# Altium PCB top.PcbDoc (part 4 of 5)
Units mil, origin at the board's own origin, x right, y up, seen from the top; angles counter-clockwise.
Board outline 12029.02 x 5828 mil, 2 copper layers (Top Layer, Bottom Layer); 703 components, 430 nets, 1840 pads, 2249 vias.
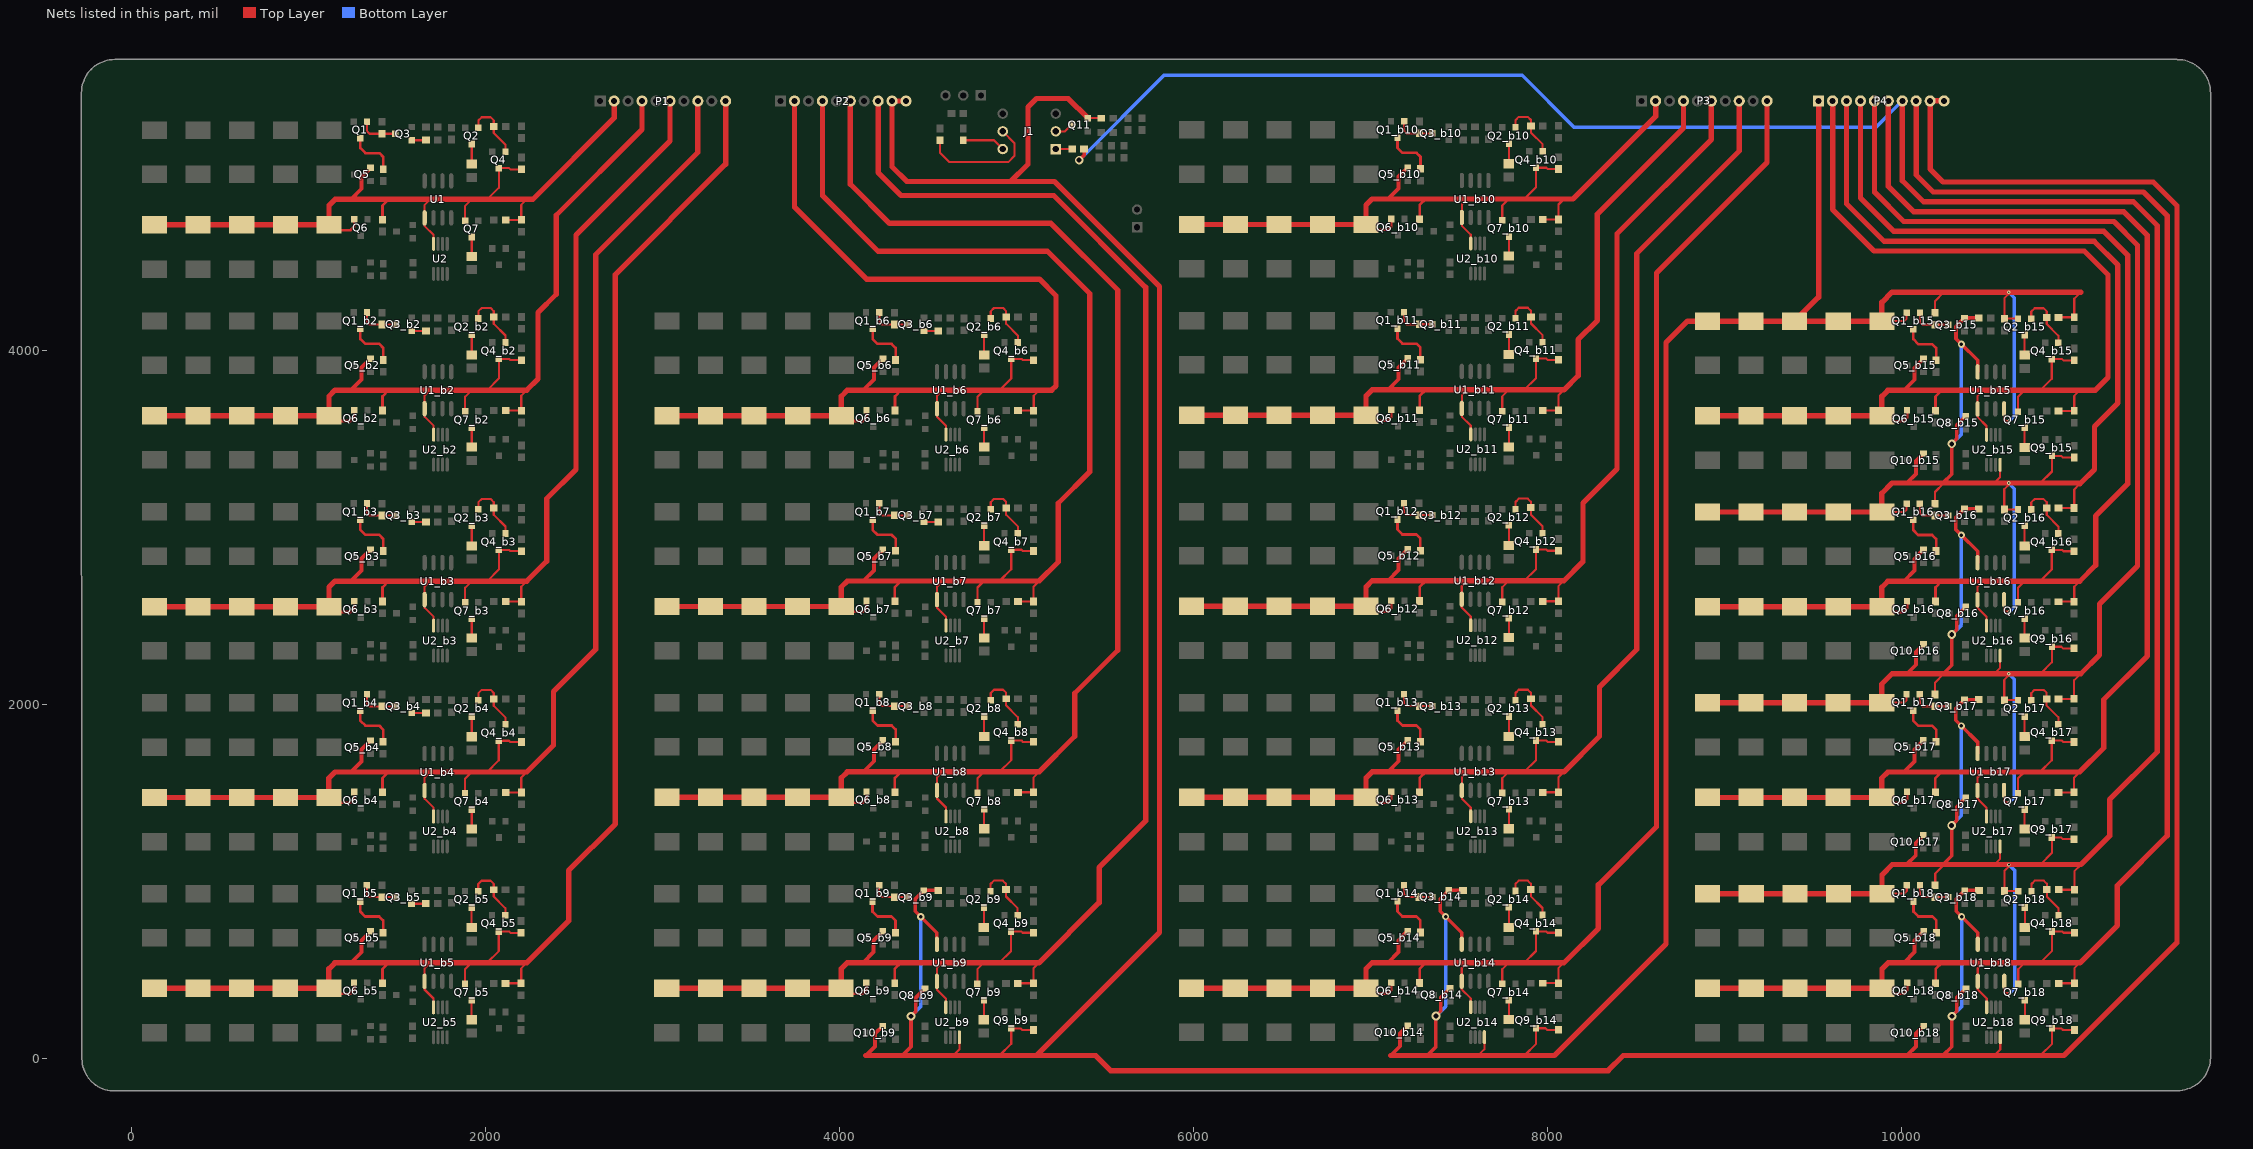
[diagram p4: the nets of this part, all layers, seen from the top]

## Via types
v1: diameter 20, hole 10, Top Layer to Bottom Layer, 2208 vias
v2: diameter 50, hole 28, Top Layer to Bottom Layer, 19 vias
v3: diameter 40, hole 20, Top Layer to Bottom Layer, 18 vias
v4: diameter 125.98, hole 125.98, Top Layer to Bottom Layer, 4 vias

## Nets (pads, with @x,y where several pads share a name; then routed paths per layer and width w, separated by ;. In a path a pad name is that pad's centre, name@x,y a point inside that pad or via, vN(x,y) a via of type N, cw(c..) or ccw(c..) an arc to the next point about the centre after c; other vN are vias at no path point) (continued)
IN_A14: P4.1 Q1_b15.2 Q2_b15.2 Q3_b14.2 Q8_b14.2 Q9_b14.3 Q10_b14.2 R1_b15.2 R2_b15.2 R3_b15.2 R4_b15.2 R5_b15.2 R6_b15.2 R7_b15.2 R8_b15.2 R9_b15.2 R12_b14.1 R24_b14.1 U1_b14.4 U1_b15.8 U2_b14.4 | length 12793.4
  Top Layer w12: 7610.6,17.74 7644.98,52.13 U2_b14.4@7644.98,121.09 ; 7871.6,17.74 7937.6,83.74 Q9_b14.3@7937.6,171.48 7990.34,171.48 7999.54,162.28 R24_b14.1@8063.6,162.28 ; R5_b15.2@9891,4166.46 9891.46,4166.93 10017.54,4166.93 10031.13,4180.53 Q1_b15.2@10031.13,4214.19 ; R6_b15.2@10191.54,4213.39 10191.54,4279.93 10241,4329.39 ; U1_b15.8@10582,3670.98 10582,3615.46 10594,3603.46 v1(10612,3603.46) ; 10618,4330.46 10583,4295.46 R9_b15.2@10583,4180.93 10660.39,4180.93 Q2_b15.2@10660.6,4180.72 ; R7_b15.2@10889.46,4188.46 10977.54,4188.46 R8_b15.2@10978,4188.93 10978,4293.46 11015,4330.46 11016,4330.46
  Top Layer w20: 7321.6,17.74 7371.6,67.74 v2(7371.6,239.74) 7399.6,267.74 7399.6,345.88 Q8_b14.2@7450.86,397.14 ; U1_b14.4@7517.6,646.23 7517.6,711.01 v3(7426.46,802.14) 7395.46,833.14 7395.46,902.28 Q3_b14.2@7443.72,950.54 R12_b14.1@7524.6,950.54
  Top Layer w22: 7116.6,17.74 7168.6,69.74 7168.6,141.88 Q10_b14.2@7211.86,185.14
  Top Layer w30: 7116.6,17.74 7321.6,17.74 7610.6,17.74 7871.6,17.74 8041.74,17.74 8672,648 8672,4045 8793.46,4166.46 R1_b15.2@8906,4166.46 R2_b15.2@9152.25,4166.46 R3_b15.2@9398.5,4166.46 ; P4.1@9534,5411 9534,4301.96 R3_b15.2@9398.5,4166.46 ; 11015,4330.46 10618,4330.46 v1(10608,4330.46) 9949,4330.46 9891,4272.46 R5_b15.2@9891,4166.46 R4_b15.2@9644.75,4166.46 R3_b15.2@9398.5,4166.46
  Bottom Layer w20: v2(7371.6,239.74) 7426.46,294.61 v3(7426.46,802.14) ; v1(10608,4330.46) 10640,4298.46 10640,3631.46 v1(10612,3603.46)
IN_A15: P4.3 Q1_b16.2 Q2_b16.2 Q3_b15.2 Q8_b15.2 Q9_b15.3 Q10_b15.2 R1_b16.2 R2_b16.2 R3_b16.2 R4_b16.2 R5_b16.2 R6_b16.2 R7_b16.2 R8_b16.2 R9_b16.2 R12_b15.1 R24_b15.1 U1_b15.4 U1_b16.8 U2_b15.4 | length 9569.7
  Top Layer w12: R5_b16.2@9890.87,3088.2 9891.34,3088.66 10017.41,3088.66 10031.01,3102.26 Q1_b16.2@10031.01,3135.92 ; R6_b16.2@10191.41,3135.13 10191.41,3201.66 10240.87,3251.13 ; 10525,3251.46 10525.73,3252.2 10559.39,3285.85 U2_b15.4@10559.39,3354.82 ; U1_b16.8@10581.87,2592.71 10581.87,2537.2 10593.87,2525.2 v1(10611.87,2525.2) ; 10617.87,3252.2 10582.87,3217.2 R9_b16.2@10582.87,3102.66 10660.27,3102.66 Q2_b16.2@10660.47,3102.46 ; 10786,3251.46 10786.73,3252.2 10852,3317.46 Q9_b15.3@10852,3405.2 10904.74,3405.2 10913.94,3396 R24_b15.1@10978,3396 ; R7_b16.2@10889.34,3110.2 10977.41,3110.2 R8_b16.2@10977.87,3110.66 10977.87,3215.2 11010,3247.32
  Top Layer w20: 10236,3251.46 10236.73,3252.2 10286,3301.46 v2(10286,3473.46) 10314,3501.46 10314,3579.61 Q8_b15.2@10365.26,3630.87 ; U1_b15.4@10432,3879.95 10432,3944.73 v3(10340.87,4035.87) 10309.87,4066.87 10309.87,4136.01 Q3_b15.2@10358.13,4184.27 R12_b15.1@10439,4184.27
  Top Layer w22: 10031,3251.46 10031.73,3252.2 10083,3303.46 10083,3375.61 Q10_b15.2@10126.26,3418.87
  Top Layer w30: R1_b16.2@8905.87,3088.2 R2_b16.2@9152.12,3088.2 R3_b16.2@9398.37,3088.2 R4_b16.2@9644.62,3088.2 R5_b16.2@9890.87,3088.2 9890.87,3194.2 9948.87,3252.2 10031.73,3252.2 10236.73,3252.2 10525.73,3252.2 v1(10607.87,3252.2) 10617.87,3252.2 10786.73,3252.2 11014.87,3252.2 ; P4.3@9691.48,5411 9691.48,4830.03 9903.26,4618.26 11090.26,4618.26 11224.26,4484.26 11224.26,3704 11092,3571.74 11092,3329.32 11014.87,3252.2 ; 11010,3247.32 11014.87,3252.2
  Bottom Layer w20: v2(10286,3473.46) 10340.87,3528.33 v3(10340.87,4035.87) ; v1(10607.87,3252.2) 10639.87,3220.2 10639.87,2553.2 v1(10611.87,2525.2)
IN_A16: P4.5 Q1_b17.2 Q2_b17.2 Q3_b16.2 Q8_b16.2 Q9_b16.3 Q10_b16.2 R1_b17.2 R2_b17.2 R3_b17.2 R4_b17.2 R5_b17.2 R6_b17.2 R7_b17.2 R8_b17.2 R9_b17.2 R12_b16.1 R24_b16.1 U1_b16.4 U1_b17.8 U2_b16.4 | length 10674.4
  Top Layer w12: R5_b17.2@9890.67,2010.6 9891.13,2011.06 10017.2,2011.06 10030.8,2024.66 Q1_b17.2@10030.8,2058.32 ; R6_b17.2@10191.2,2057.53 10191.2,2124.06 10240.67,2173.53 ; 10524.87,2173.2 10526.28,2174.6 10559.26,2207.58 U2_b16.4@10559.26,2276.55 ; U1_b17.8@10581.67,1515.11 10581.67,1459.6 10593.67,1447.6 v1(10611.67,1447.6) ; 10617.67,2174.6 10582.67,2139.6 R9_b17.2@10582.67,2025.06 10660.06,2025.06 Q2_b17.2@10660.27,2024.86 ; 10785.87,2173.2 10787.28,2174.6 10851.87,2239.2 Q9_b16.3@10851.87,2326.94 10904.61,2326.94 10913.82,2317.73 R24_b16.1@10977.87,2317.73 ; R7_b17.2@10889.13,2032.6 10977.2,2032.6 R8_b17.2@10977.67,2033.06 10977.67,2137.6 11014.67,2174.6
  Top Layer w20: 10235.87,2173.2 10237.28,2174.6 10285.87,2223.2 v2(10285.87,2395.2) 10313.87,2423.2 10313.87,2501.34 Q8_b16.2@10365.13,2552.6 ; U1_b16.4@10431.87,2801.68 10431.87,2866.46 v3(10340.74,2957.6) 10309.74,2988.6 10309.74,3057.74 Q3_b16.2@10358,3106 R12_b16.1@10438.87,3106
  Top Layer w22: 10030.87,2173.2 10032.28,2174.6 10082.87,2225.2 10082.87,2297.34 Q10_b16.2@10126.13,2340.6
  Top Layer w30: R1_b17.2@8905.67,2010.6 R2_b17.2@9151.92,2010.6 R3_b17.2@9398.17,2010.6 R4_b17.2@9644.42,2010.6 R5_b17.2@9890.67,2010.6 9890.67,2116.6 9948.67,2174.6 10032.28,2174.6 10237.28,2174.6 10526.28,2174.6 v1(10607.67,2174.6) 10617.67,2174.6 10787.28,2174.6 11014.67,2174.6 11121,2280.93 11121,2568.39 11335.61,2783 11335.61,4595.61 11201.61,4729.61 10014.61,4729.61 9848.96,4895.26 P4.5@9848.96,5411
  Bottom Layer w20: v2(10285.87,2395.2) 10340.74,2450.06 v3(10340.74,2957.6) ; v1(10607.67,2174.6) 10639.67,2142.6 10639.67,1475.6 v1(10611.67,1447.6)
IN_A17: P4.7 Q1_b18.2 Q2_b18.2 Q3_b17.2 Q8_b17.2 Q9_b17.3 Q10_b17.2 R1_b18.2 R2_b18.2 R3_b18.2 R4_b18.2 R5_b18.2 R6_b18.2 R7_b18.2 R8_b18.2 R9_b18.2 R12_b17.1 R24_b17.1 R25.1 U1_b17.4 U1_b18.8 U2_b17.4 | length 16886.5
  Top Layer w12: R5_b18.2@9891.87,932.2 9892.34,932.66 10018.41,932.66 10032.01,946.26 Q1_b18.2@10032.01,979.92 ; R6_b18.2@10192.41,979.13 10192.41,1045.66 10241.87,1095.13 ; 10524.67,1095.6 10525.27,1096.2 10559.05,1129.98 U2_b17.4@10559.05,1198.95 ; U1_b18.8@10582.87,436.71 10582.87,381.2 10594.87,369.2 v1(10612.87,369.2) ; 10618.87,1096.2 10583.87,1061.2 R9_b18.2@10583.87,946.66 10661.27,946.66 Q2_b18.2@10661.47,946.46 ; 10785.67,1095.6 10786.27,1096.2 10851.67,1161.6 Q9_b17.3@10851.67,1249.34 10904.41,1249.34 10913.61,1240.13 R24_b17.1@10977.67,1240.13 ; R7_b18.2@10890.34,954.2 10978.41,954.2 R8_b18.2@10978.87,954.66 10978.87,1059.2 11015.87,1096.2
  Top Layer w20: v2(5356,5076) 5383.46,5103.46 R25.1@5383.46,5139 ; 10235.67,1095.6 10236.27,1096.2 10285.67,1145.6 v2(10285.67,1317.6) 10313.67,1345.6 10313.67,1423.74 Q8_b17.2@10364.93,1475 ; U1_b17.4@10431.67,1724.09 10431.67,1788.87 v3(10340.54,1880) 10309.54,1911 10309.54,1980.14 Q3_b17.2@10357.8,2028.4 R12_b17.1@10438.67,2028.4
  Top Layer w22: 10030.67,1095.6 10031.27,1096.2 10082.67,1147.6 10082.67,1219.74 Q10_b17.2@10125.93,1263
  Top Layer w30: R1_b18.2@8906.87,932.2 R2_b18.2@9153.12,932.2 R3_b18.2@9399.37,932.2 R4_b18.2@9645.62,932.2 R5_b18.2@9891.87,932.2 9891.87,1038.2 9949.87,1096.2 10031.27,1096.2 10236.27,1096.2 10525.27,1096.2 v1(10608.87,1096.2) 10618.87,1096.2 10786.27,1096.2 11015.87,1096.2 11178,1258.32 11178,1463.03 11446.97,1732 11446.97,4706.97 11312.97,4840.97 10125.97,4840.97 10006.44,4960.49 P4.7@10006.44,5411
  Bottom Layer w20: v2(5356,5076) 5835,5555 7859,5555 8153,5261 9856.44,5261 P4.7@10006.44,5411 ; v2(10285.67,1317.6) 10340.54,1372.46 v3(10340.54,1880) ; v1(10608.87,1096.2) 10640.87,1064.2 10640.87,397.2 v1(10612.87,369.2)
IN_B0: P1.2 Q4.3 Q5.2 Q6.2 Q7.2 R13.1 R14.2 R15.2 R16.2 R17.2 R18.2 R19.2 R20.2 R21.2 U1.5 U2.8 | length 4535.5
  Top Layer w12: 1689,4854.54 1658,4823.54 U1.5@1658,4750.05 1658,4703.54 1708.61,4652.92 U2.8@1708.61,4603.18 ; Q7.2@1886.6,4734.8 1886.6,4818.13 1923,4854.54 ; 2011,4854.54 2077,4920.54 Q4.3@2077,5031.28 2135.26,5031.28 2142.46,5024.07 R13.1@2204,5024.07 ; R20.2@2115.93,4739 R21.2@2204,4739 2204,4823.54 2235,4854.54
  Top Layer w15: R18.2@1117,4710.54 1147,4680.54 1240,4680.54 1259.6,4700.13 Q6.2@1259.6,4741.8 ; R19.2@1420,4740 1420,4819.54 1455,4854.54 1459,4854.54
  Top Layer w22: 1241,4854.54 1301,4914.54 1301,4981.68 Q5.2@1352.26,5032.94
  Top Layer w30: R14.2@132,4710.54 R15.2@378.25,4710.54 R16.2@624.5,4710.54 R17.2@870.75,4710.54 R18.2@1117,4710.54 1117,4820.54 1151,4854.54 1241,4854.54 1455,4854.54 ; 1459,4854.54 1689,4854.54 1923,4854.54 2011,4854.54 2235,4854.54 2268.54,4854.54 2728.74,5314.74 P1.2@2728.74,5410
IN_B1: P1.4 Q4_b2.3 Q5_b2.2 Q6_b2.2 Q7_b2.2 R13_b2.1 R14_b2.2 R15_b2.2 R16_b2.2 R17_b2.2 R18_b2.2 R19_b2.2 R20_b2.2 R21_b2.2 U1_b2.5 U2_b2.8 | length 5659.2
  Top Layer w12: 1689,3776.46 1658,3745.46 U1_b2.5@1658,3671.98 1658,3625.46 1708.61,3574.85 U2_b2.8@1708.61,3525.11 ; Q7_b2.2@1886.6,3656.72 1886.6,3740.06 1923,3776.46 ; 2011,3776.46 2077,3842.46 Q4_b2.3@2077,3953.2 2135.26,3953.2 2142.46,3946 R13_b2.1@2204,3946 ; R20_b2.2@2115.93,3660.93 R21_b2.2@2204,3660.93 2204,3745.46 2235,3776.46
  Top Layer w15: R18_b2.2@1117,3632.46 1147,3602.46 1240,3602.46 1259.6,3622.06 Q6_b2.2@1259.6,3663.72 ; R19_b2.2@1420,3661.93 1420,3741.46 1455,3776.46 1459,3776.46
  Top Layer w22: 1241,3776.46 1301,3836.46 1301,3903.61 Q5_b2.2@1352.26,3954.87
  Top Layer w30: R14_b2.2@132,3632.46 R15_b2.2@378.25,3632.46 R16_b2.2@624.5,3632.46 R17_b2.2@870.75,3632.46 R18_b2.2@1117,3632.46 1117,3742.46 1151,3776.46 1241,3776.46 1455,3776.46 ; 1459,3776.46 1689,3776.46 1923,3776.46 2011,3776.46 2235,3776.46 2298,3839.46 2298,4215 2401.36,4318.36 2401.36,4764.64 2886.22,5249.51 P1.4@2886.22,5410
IN_B2: P1.6 Q4_b3.3 Q5_b3.2 Q6_b3.2 Q7_b3.2 R13_b3.1 R14_b3.2 R15_b3.2 R16_b3.2 R17_b3.2 R18_b3.2 R19_b3.2 R20_b3.2 R21_b3.2 U1_b3.5 U2_b3.8 | length 6803.3
  Top Layer w12: 1689,2697.54 1658,2666.54 U1_b3.5@1658,2593.05 1658,2546.54 1708.61,2495.92 U2_b3.8@1708.61,2446.18 ; Q7_b3.2@1886.6,2577.8 1886.6,2661.13 1923,2697.54 ; 2011,2697.54 2077,2763.54 Q4_b3.3@2077,2874.28 2135.26,2874.28 2142.46,2867.07 R13_b3.1@2204,2867.07 ; R20_b3.2@2115.93,2582 R21_b3.2@2204,2582 2204,2666.54 2235,2697.54
  Top Layer w15: R18_b3.2@1117,2553.54 1147,2523.54 1240,2523.54 1259.6,2543.13 Q6_b3.2@1259.6,2584.8 ; R19_b3.2@1420,2583 1420,2662.54 1455,2697.54 1459,2697.54
  Top Layer w22: 1241,2697.54 1301,2757.54 1301,2824.68 Q5_b3.2@1352.26,2875.94
  Top Layer w30: R14_b3.2@132,2553.54 R15_b3.2@378.25,2553.54 R16_b3.2@624.5,2553.54 R17_b3.2@870.75,2553.54 R18_b3.2@1117,2553.54 1117,2663.54 1151,2697.54 1241,2697.54 1455,2697.54 ; 1459,2697.54 1689,2697.54 1923,2697.54 2011,2697.54 2235,2697.54 2348,2810.54 2348,3164.29 2512.71,3329 2512.71,4653.29 3043.7,5184.28 P1.6@3043.7,5410
IN_B3: P1.8 Q4_b4.3 Q5_b4.2 Q6_b4.2 Q7_b4.2 R13_b4.1 R14_b4.2 R15_b4.2 R16_b4.2 R17_b4.2 R18_b4.2 R19_b4.2 R20_b4.2 R21_b4.2 U1_b4.5 U2_b4.8 | length 7947
  Top Layer w12: 1688.87,1619.2 1657.87,1588.2 U1_b4.5@1657.87,1514.71 1657.87,1468.2 1708.49,1417.58 U2_b4.8@1708.49,1367.84 ; Q7_b4.2@1886.47,1499.46 1886.47,1582.79 1922.87,1619.2 ; 2010.87,1619.2 2076.87,1685.2 Q4_b4.3@2076.87,1795.94 2135.13,1795.94 2142.34,1788.73 R13_b4.1@2203.87,1788.73 ; R20_b4.2@2115.8,1503.66 R21_b4.2@2203.87,1503.66 2203.87,1588.2 2234.87,1619.2
  Top Layer w15: R18_b4.2@1116.87,1475.2 1146.87,1445.2 1239.87,1445.2 1259.47,1464.79 Q6_b4.2@1259.47,1506.46 ; R19_b4.2@1419.87,1504.66 1419.87,1584.2 1454.87,1619.2 1458.87,1619.2
  Top Layer w22: 1240.87,1619.2 1300.87,1679.2 1300.87,1746.34 Q5_b4.2@1352.13,1797.6
  Top Layer w30: R14_b4.2@131.87,1475.2 R15_b4.2@378.12,1475.2 R16_b4.2@624.37,1475.2 R17_b4.2@870.62,1475.2 R18_b4.2@1116.87,1475.2 1116.87,1585.2 1150.87,1619.2 1240.87,1619.2 1454.87,1619.2 ; 1458.87,1619.2 1688.87,1619.2 1922.87,1619.2 2010.87,1619.2 2234.87,1619.2 2386.07,1770.39 2386.07,2074 2624.07,2312 2624.07,4541.93 3201.18,5119.05 P1.8@3201.18,5410
IN_B4: P1.10 Q4_b5.3 Q5_b5.2 Q6_b5.2 Q7_b5.2 R13_b5.1 R14_b5.2 R15_b5.2 R16_b5.2 R17_b5.2 R18_b5.2 R19_b5.2 R20_b5.2 R21_b5.2 U1_b5.5 U2_b5.8 | length 9090.5
  Top Layer w12: 1688.46,541.07 1657.46,510.07 U1_b5.5@1657.46,436.58 1657.46,390.07 1708.08,339.46 U2_b5.8@1708.08,289.72 ; Q7_b5.2@1886.06,421.33 1886.06,504.67 1922.46,541.07 ; 2010.46,541.07 2076.46,607.07 Q4_b5.3@2076.46,717.81 2134.72,717.81 2141.93,710.61 R13_b5.1@2203.46,710.61 ; R20_b5.2@2115.39,425.54 R21_b5.2@2203.46,425.54 2203.46,510.07 2234.46,541.07
  Top Layer w15: R18_b5.2@1116.46,397.07 1146.46,367.07 1239.46,367.07 1259.06,386.67 Q6_b5.2@1259.06,428.33 ; R19_b5.2@1419.46,426.54 1419.46,506.07 1454.46,541.07 1458.46,541.07
  Top Layer w22: 1240.46,541.07 1300.46,601.07 1300.46,668.21 Q5_b5.2@1351.72,719.47
  Top Layer w30: R14_b5.2@131.46,397.07 R15_b5.2@377.71,397.07 R16_b5.2@623.96,397.07 R17_b5.2@870.21,397.07 R18_b5.2@1116.46,397.07 1116.46,507.07 1150.46,541.07 1240.46,541.07 1454.46,541.07 ; 1458.46,541.07 1688.46,541.07 1922.46,541.07 2010.46,541.07 2234.46,541.07 2471.39,778 2471.39,1061.97 2735.42,1326 2735.42,4430.58 3358.66,5053.82 P1.10@3358.66,5410
IN_B5: P2.2 Q4_b6.3 Q5_b6.2 Q6_b6.2 Q7_b6.2 R13_b6.1 R14_b6.2 R15_b6.2 R16_b6.2 R17_b6.2 R18_b6.2 R19_b6.2 R20_b6.2 R21_b6.2 U1_b6.5 U2_b6.8 | length 6654.2
  Top Layer w12: 4584,3776.46 4553,3745.46 U1_b6.5@4553,3671.98 4553,3625.46 4603.61,3574.85 U2_b6.8@4603.61,3525.11 ; Q7_b6.2@4781.6,3656.72 4781.6,3740.06 4818,3776.46 ; 4906,3776.46 4972,3842.46 Q4_b6.3@4972,3953.2 5030.26,3953.2 5037.46,3946 R13_b6.1@5099,3946 ; R20_b6.2@5010.93,3660.93 R21_b6.2@5099,3660.93 5099,3745.46 5130,3776.46
  Top Layer w15: R18_b6.2@4012,3632.46 4042,3602.46 4135,3602.46 4154.6,3622.06 Q6_b6.2@4154.6,3663.72 ; R19_b6.2@4315,3661.93 4315,3741.46 4350,3776.46 4354,3776.46
  Top Layer w22: 4136,3776.46 4196,3836.46 4196,3903.61 Q5_b6.2@4247.26,3954.87
  Top Layer w30: R14_b6.2@3027,3632.46 R15_b6.2@3273.25,3632.46 R16_b6.2@3519.5,3632.46 R17_b6.2@3765.75,3632.46 R18_b6.2@4012,3632.46 4012,3742.46 4046,3776.46 4136,3776.46 4350,3776.46 ; P2.2@3747.74,5410 3747.74,4810.42 4154.08,4404.08 5130.92,4404.08 5225,4310 5225,3801 5200.46,3776.46 5130,3776.46 4906,3776.46 4818,3776.46 4584,3776.46 4354,3776.46
IN_B6: P2.4 Q4_b7.3 Q5_b7.2 Q6_b7.2 Q7_b7.2 R13_b7.1 R14_b7.2 R15_b7.2 R16_b7.2 R17_b7.2 R18_b7.2 R19_b7.2 R20_b7.2 R21_b7.2 U1_b7.5 U2_b7.8 | length 7773.1
  Top Layer w12: 4583.87,2698.2 4552.87,2667.2 U1_b7.5@4552.87,2593.71 4552.87,2547.2 4603.49,2496.58 U2_b7.8@4603.49,2446.84 ; Q7_b7.2@4781.47,2578.46 4781.47,2661.79 4817.87,2698.2 ; 4905.87,2698.2 4971.87,2764.2 Q4_b7.3@4971.87,2874.94 5030.13,2874.94 5037.34,2867.73 R13_b7.1@5098.87,2867.73 ; R20_b7.2@5010.8,2582.66 R21_b7.2@5098.87,2582.66 5098.87,2667.2 5129.87,2698.2
  Top Layer w15: R18_b7.2@4011.87,2554.2 4041.87,2524.2 4134.87,2524.2 4154.47,2543.79 Q6_b7.2@4154.47,2585.46 ; R19_b7.2@4314.87,2583.66 4314.87,2663.2 4349.87,2698.2 4353.87,2698.2
  Top Layer w22: 4135.87,2698.2 4195.87,2758.2 4195.87,2825.34 Q5_b7.2@4247.13,2876.6
  Top Layer w30: R14_b7.2@3026.87,2554.2 R15_b7.2@3273.12,2554.2 R16_b7.2@3519.37,2554.2 R17_b7.2@3765.62,2554.2 R18_b7.2@4011.87,2554.2 4011.87,2664.2 4045.87,2698.2 4135.87,2698.2 4349.87,2698.2 ; P2.4@3905.22,5410 3905.22,4875.65 4219.31,4561.56 5176.44,4561.56 5416.48,4321.52 5416.48,3316 5238,3137.52 5238,2806.32 5129.87,2698.2 4905.87,2698.2 4817.87,2698.2 4583.87,2698.2 4353.87,2698.2
IN_B7: P2.6 Q4_b8.3 Q5_b8.2 Q6_b8.2 Q7_b8.2 R13_b8.1 R14_b8.2 R15_b8.2 R16_b8.2 R17_b8.2 R18_b8.2 R19_b8.2 R20_b8.2 R21_b8.2 U1_b8.5 U2_b8.8 | length 8890.1
  Top Layer w12: 4583.87,1620.2 4552.87,1589.2 U1_b8.5@4552.87,1515.71 4552.87,1469.2 4603.49,1418.58 U2_b8.8@4603.49,1368.84 ; Q7_b8.2@4781.47,1500.46 4781.47,1583.79 4817.87,1620.2 ; 4905.87,1620.2 4971.87,1686.2 Q4_b8.3@4971.87,1796.94 5030.13,1796.94 5037.34,1789.73 R13_b8.1@5098.87,1789.73 ; R20_b8.2@5010.8,1504.66 R21_b8.2@5098.87,1504.66 5098.87,1589.2 5129.87,1620.2
  Top Layer w15: R18_b8.2@4011.87,1476.2 4041.87,1446.2 4134.87,1446.2 4154.47,1465.79 Q6_b8.2@4154.47,1507.46 ; R19_b8.2@4314.87,1505.66 4314.87,1585.2 4349.87,1620.2 4353.87,1620.2
  Top Layer w22: 4135.87,1620.2 4195.87,1680.2 4195.87,1747.34 Q5_b8.2@4247.13,1798.6
  Top Layer w30: R14_b8.2@3026.87,1476.2 R15_b8.2@3273.12,1476.2 R16_b8.2@3519.37,1476.2 R17_b8.2@3765.62,1476.2 R18_b8.2@4011.87,1476.2 4011.87,1586.2 4045.87,1620.2 4135.87,1620.2 4349.87,1620.2 ; P2.6@4062.7,5410 4062.7,4940.88 4284.54,4719.04 5196.96,4719.04 5573.96,4342.04 5573.96,2307 5331,2064.04 5331,1821.32 5129.87,1620.2 4905.87,1620.2 4817.87,1620.2 4583.87,1620.2 4353.87,1620.2
IN_B8: P2.8 Q4_b9.3 Q5_b9.2 Q6_b9.2 Q7_b9.2 R13_b9.1 R14_b9.2 R15_b9.2 R16_b9.2 R17_b9.2 R18_b9.2 R19_b9.2 R20_b9.2 R21_b9.2 U1_b9.5 U2_b9.8 | length 10005.6
  Top Layer w12: 4582.87,541.2 4551.87,510.2 U1_b9.5@4551.87,436.71 4551.87,390.2 4602.49,339.58 U2_b9.8@4602.49,289.84 ; Q7_b9.2@4780.47,421.46 4780.47,504.79 4816.87,541.2 ; 4904.87,541.2 4970.87,607.2 Q4_b9.3@4970.87,717.94 5029.13,717.94 5036.34,710.73 R13_b9.1@5097.87,710.73 ; R20_b9.2@5009.8,425.66 R21_b9.2@5097.87,425.66 5097.87,510.2 5128.87,541.2
  Top Layer w15: R18_b9.2@4010.87,397.2 4040.87,367.2 4133.87,367.2 4153.47,386.79 Q6_b9.2@4153.47,428.46 ; R19_b9.2@4313.87,426.66 4313.87,506.2 4348.87,541.2 4352.87,541.2
  Top Layer w22: 4134.87,541.2 4194.87,601.2 4194.87,668.34 Q5_b9.2@4246.13,719.6
  Top Layer w30: R14_b9.2@3025.87,397.2 R15_b9.2@3272.12,397.2 R16_b9.2@3518.37,397.2 R17_b9.2@3764.62,397.2 R18_b9.2@4010.87,397.2 4010.87,507.2 4044.87,541.2 4134.87,541.2 4348.87,541.2 ; P2.8@4220.18,5410 4220.18,5006.11 4349.77,4876.52 5212.48,4876.52 5731.44,4357.56 5731.44,1342 5469,1079.56 5469,881.32 5128.87,541.2 4904.87,541.2 4816.87,541.2 4582.87,541.2 4352.87,541.2
IN_B9: P3.2 Q4_b10.3 Q5_b10.2 Q6_b10.2 Q7_b10.2 R13_b10.1 R14_b10.2 R15_b10.2 R16_b10.2 R17_b10.2 R18_b10.2 R19_b10.2 R20_b10.2 R21_b10.2 U1_b10.5 U2_b10.8 | length 4554.4
  Top Layer w12: 7549,4856.46 7518,4825.46 U1_b10.5@7518,4751.98 7518,4705.46 7568.61,4654.85 U2_b10.8@7568.61,4605.11 ; Q7_b10.2@7746.6,4736.72 7746.6,4820.06 7783,4856.46 ; 7871,4856.46 7937,4922.46 Q4_b10.3@7937,5033.2 7995.26,5033.2 8002.46,5026 R13_b10.1@8064,5026 ; R20_b10.2@7975.93,4740.93 R21_b10.2@8064,4740.93 8064,4825.46 8095,4856.46
  Top Layer w15: R18_b10.2@6977,4712.46 7007,4682.46 7100,4682.46 7119.6,4702.06 Q6_b10.2@7119.6,4743.72 ; R19_b10.2@7280,4741.93 7280,4821.46 7315,4856.46 7319,4856.46
  Top Layer w22: 7101,4856.46 7161,4916.46 7161,4983.61 Q5_b10.2@7212.26,5034.87
  Top Layer w30: R14_b10.2@5992,4712.46 R15_b10.2@6238.25,4712.46 R16_b10.2@6484.5,4712.46 R17_b10.2@6730.75,4712.46 R18_b10.2@6977,4712.46 6977,4822.46 7011,4856.46 7101,4856.46 7315,4856.46 ; 7319,4856.46 7549,4856.46 7783,4856.46 7871,4856.46 8095,4856.46 8145.46,4856.46 8612.74,5323.74 P3.2@8612.74,5411
IN_B10: P3.4 Q4_b11.3 Q5_b11.2 Q6_b11.2 Q7_b11.2 R13_b11.1 R14_b11.2 R15_b11.2 R16_b11.2 R17_b11.2 R18_b11.2 R19_b11.2 R20_b11.2 R21_b11.2 U1_b11.5 U2_b11.8 | length 5668.4
  Top Layer w12: 7548.87,3778.2 7517.87,3747.2 U1_b11.5@7517.87,3673.71 7517.87,3627.2 7568.49,3576.58 U2_b11.8@7568.49,3526.84 ; Q7_b11.2@7746.47,3658.46 7746.47,3741.79 7782.87,3778.2 ; 7870.87,3778.2 7936.87,3844.2 Q4_b11.3@7936.87,3954.94 7995.13,3954.94 8002.34,3947.73 R13_b11.1@8063.87,3947.73 ; R20_b11.2@7975.8,3662.66 R21_b11.2@8063.87,3662.66 8063.87,3747.2 8094.87,3778.2
  Top Layer w15: R18_b11.2@6976.87,3634.2 7006.87,3604.2 7099.87,3604.2 7119.47,3623.79 Q6_b11.2@7119.47,3665.46 ; R19_b11.2@7279.87,3663.66 7279.87,3743.2 7314.87,3778.2 7318.87,3778.2
  Top Layer w22: 7100.87,3778.2 7160.87,3838.2 7160.87,3905.34 Q5_b11.2@7212.13,3956.6
  Top Layer w30: R14_b11.2@5991.87,3634.2 R15_b11.2@6238.12,3634.2 R16_b11.2@6484.37,3634.2 R17_b11.2@6730.62,3634.2 R18_b11.2@6976.87,3634.2 6976.87,3744.2 7010.87,3778.2 7100.87,3778.2 7314.87,3778.2 ; 7318.87,3778.2 7548.87,3778.2 7782.87,3778.2 7870.87,3778.2 8094.87,3778.2 8175,3858.32 8175,4062.64 8283.36,4171 8283.36,4771.64 8770.22,5258.51 P3.4@8770.22,5411
IN_B11: P3.6 Q4_b12.3 Q5_b12.2 Q6_b12.2 Q7_b12.2 R13_b12.1 R14_b12.2 R15_b12.2 R16_b12.2 R17_b12.2 R18_b12.2 R19_b12.2 R20_b12.2 R21_b12.2 U1_b12.5 U2_b12.8 | length 6812.4
  Top Layer w12: 7548.6,2699.6 7517.6,2668.6 U1_b12.5@7517.6,2595.11 7517.6,2548.6 7568.21,2497.98 U2_b12.8@7568.21,2448.24 ; Q7_b12.2@7746.2,2579.86 7746.2,2663.2 7782.6,2699.6 ; 7870.6,2699.6 7936.6,2765.6 Q4_b12.3@7936.6,2876.34 7994.86,2876.34 8002.06,2869.13 R13_b12.1@8063.6,2869.13 ; R20_b12.2@7975.53,2584.06 R21_b12.2@8063.6,2584.06 8063.6,2668.6 8094.6,2699.6